# KiCad board Module_16S.kicad_pcb (continued)
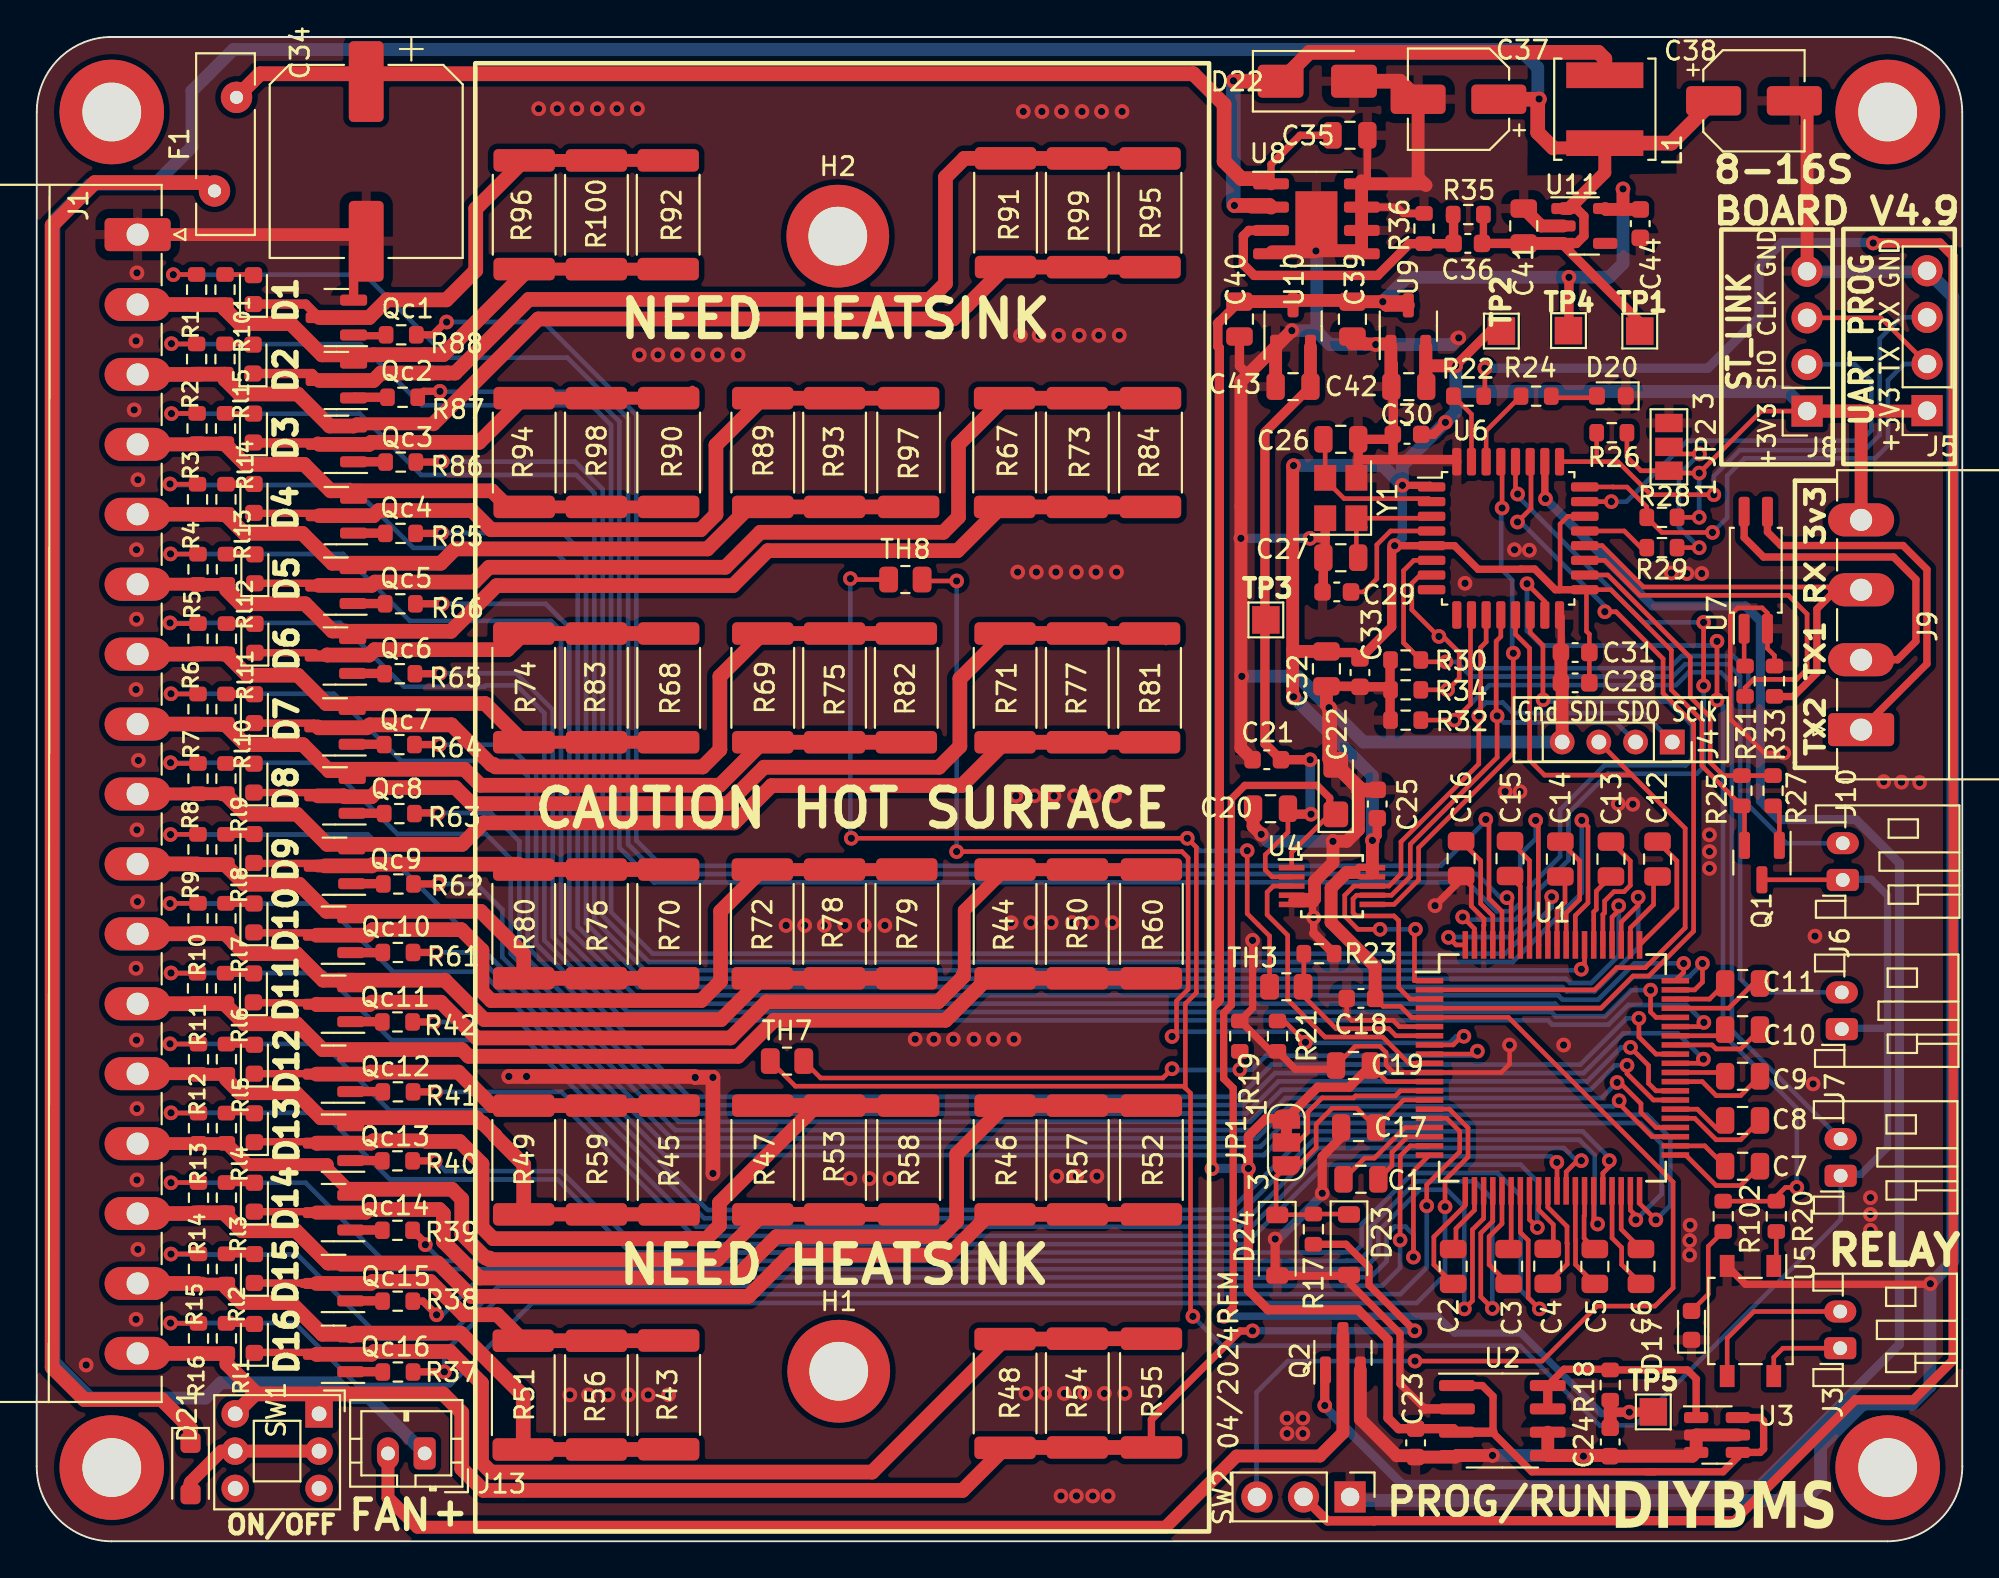
[diagram p0: board, top side]
## Routing (per net, layer and track width the routed paths; a pad name or vN(x,y) marks a point on that pad's centre or on a via; arc(x,y) is an arc through that point) (continued)
CV6: length 31
  Top w0.7: R68.2 R83.2 R74.2
  Top w0.8: R74.2 24.44,45.65 17.52,45.65 ; 17.51,45.64 15.78,45.64 14.23,47.19 11.48,47.19 10.34,48.33 Rl11.1 R6.2 8.78,48.34 J1.7
CV7: length 46.5
  Top w0.7: 17.4,41.99 17.37,42.02 16.75,42.02
  Top w0.762: Rl10.1 10.32,44.5 ; 8.78,44.53 R7.2
  Top w0.8: J1.8 8.78,44.53 ; 15.93,41.99 14.51,43.41 11.38,43.41 10.32,44.47 10.32,44.5 ; 15.93,41.99 17.4,41.99 ; 15.93,41.99 16.01,42.07 23.32,42.07 24.19,41.19 37.23,41.19 R69.2 R75.2 R82.2 ; R7.2 Rl10.1
CV8: length 60.2
  Top w0.7: R71.2 51.82,43.54 ; 5.5,40.71 J1.9 8.78,40.72 R8.2 Rl9.1
  Top w0.8: 34.14,39.15 24.36,39.15 23.19,37.98 15.83,37.98 14.19,39.62 11.39,39.62 10.32,40.69 Rl9.1 ; 33.51,39.15 38.03,39.15 40.06,41.18 50.42,41.18 R71.2 R77.2 R81.2
CV9: length 32.3
  Top w0.7: 8.75,36.91 R9.2
  Top w0.8: R70.2 R76.2 R80.2 26.55,31.98 24.2,34.33 15.79,34.33 14.31,35.8 11.34,35.8 10.32,36.83 Rl8.1 R9.2 ; J1.10 8.75,36.91
CV10: length 46.7
  Top w0.7: R72.2 38.76,30.68
  Top w0.762: 17.12,30.42 17.28,30.57 ; 8.78,33.1 R10.2 ; Rl7.1 10.32,33.07
  Top w0.8: 16.48,30.57 15.61,30.57 14.16,32.02 11.33,32.02 10.77,32.59 10.77,32.62 10.32,33.07 ; 16.48,30.57 22.25,30.57 24.39,28.43 37.3,28.43 R72.2 R78.2 R79.2 ; 16.48,30.57 17.28,30.57 ; J1.11 8.78,33.1 ; R10.2 Rl7.1
CV11: length 59.4
  Top w0.7: R44.2 51.62,30.68
  Top w0.762: 8.75,29.29 R11.2 ; Rl6.1 10.29,29.26
  Top w0.8: R11.2 Rl6.1 ; J1.12 8.75,29.29 ; R60.2 R50.2 R44.2 51.83,30.68 49.54,28.39 40.19,28.39 38.23,26.43 23.54,26.43 23.18,26.79 15.58,26.79 14.18,28.2 11.32,28.2 10.29,29.23 10.29,29.26
CV12: length 33.9
  Top w0.508: 8.63,25.48 8.65,25.45
  Top w0.7: J1.13 8.78,25.48 R12.2 Rl5.1 10.34,25.18
  Top w0.762: R49.2 R59.2 R45.2
  Top w0.8: 10.34,25.18 11.07,24.44 14.12,24.44 15.49,23.08 23.97,23.08 24.25,22.8 24.31,22.8 24.98,22.13 24.98,22.1 26.55,20.53 R49.2
CV13: length 48.5
  Top w0.508: 8.63,21.67 8.65,21.7 ; 10.33,21.67 Rl4.1
  Top w0.7: J1.14 10.33,21.67 ; Rl4.1 11.5,20.52 15.83,20.52 15.83,20.31 16.96,19.18 17.25,19.18
  Top w0.8: 5.5,21.66 6.7,21.66 ; 16.96,19.18 22.64,19.18 23.17,18.65 23.17,16.74 24.48,15.43 24.68,15.43 24.68,15.35 37.11,15.35 R47.2 R53.2 R58.2
CV14: length 59.2
  Top w0.254: 59.41,17.35 59.31,17.45
  Top w0.7: 8.78,17.86 R14.2
  Top w0.8: R14.2 Rl3.1 10.34,17.76 11.18,16.92 14.12,16.92 15.89,15.16 21.87,15.16 23.69,13.35 38.8,13.35 41.05,15.6 49.72,15.6 51.93,17.81 R46.2 R57.2 R52.2 ; J1.15 8.78,17.86
CV15: length 34.7
  Top w0.7: 34.43,5 R43.2 ; Qc16.2 17.19,11.21 ; 8.78,14.05 R15.2 Rl2.1
  Top w0.8: J1.16 8.78,14.05 ; 34.43,5 R56.2 R51.2 26.52,7.93 23.11,11.34 17.32,11.34 17.19,11.21 17.12,11.28 15.57,11.28 13.85,13.01 11.15,13.01 10.34,13.82 Rl2.1
CV16: length 90.1
  Top w0.4: 66.26,11.47 v1(66.27,11.47) 66.26,11.46 65.58,11.46 60.76,6.63 R55.2 ; R17.2 71.37,16.18 72.62,14.93 72.62,13.96 v1(75.11,11.47)
  Top w0.7: 8.81,10.24 R16.2 ; 52.81,5.11 R48.2
  Top w0.8: SW1.4 11.9,8.03 11.99,8.03 ; 11.99,8.03 15.45,8.03 ; 11.99,8.03 10.37,9.65 10.37,10.23 ; R16.2 Rl1.1 ; 15.45,8.03 22.15,8.03 23.17,7.01 23.17,3.95 24.35,2.77 50.46,2.77 R48.2 ; 15.45,8.03 15.39,7.97 SW1.1 ; J1.17 8.81,10.24 ; 52.81,5.11 R54.2 R55.2
  Bottom w0.4: v1(66.27,11.47) 66.27,11.47 75.11,11.47 v1(75.11,11.47)
FAN: length 99.9
  Top w0.4: v1(82.24,56.81) 82.21,56.84 U6.26
  Top w0.508: Q2.1 70.21,9.29 v1(70.21,7.4)
  Bottom w0.5: 94.4,3.6 101.53,10.73 101.53,36.96 99.17,39.32 94.97,39.32 93.96,40.34 93.96,50.14 93.13,50.97 88.08,50.97 v1(82.24,56.81)
  Bottom w0.508: 94.4,3.6 93.89,3.09 74.44,3.09 70.21,7.32 v1(70.21,7.4) 70.13,7.4 70.18,7.34
PA8: length 17.8
  Top w0.254: U6.18 85.64,52.65 90.13,48.16 90.13,46 91.22,44.92 91.22,42.44 91.94,41.72 R25.1 94.95,41.72
RELAY1: length 51.6
  Top w0.25: R102.2 R20.1
  Top w0.254: v1(95.94,19.28) 95.32,19.28 94.57,18.53 ; v1(81.23,52.18) 82.21,51.2 U6.15 ; v1(91.59,49.04) v1(91.59,45.84)
  Bottom w0.254: v1(95.94,19.28) 95.94,23.6 91.92,27.62 91.92,45.51 v1(91.59,45.84) ; v1(91.59,49.04) 91.36,48.81 82.04,48.81 81.23,49.61 v1(81.23,52.18)
RX: length 23.8
  Top w0.254: 97.93,51.7 97.64,52 87.58,52 85.33,54.25 U6.20
  Top w0.4: R33.1 94.73,46.03 95.75,46.03 97.03,47.32 97.03,50.8 97.93,51.7 99.3,51.7 J9.3
STEP_DOWN_V: length 209.9
  Top w0.4: C36.1 78.86,70.8 R35.1
  Top w0.508: U11.1 83.92,72.62 84.34,72.21 84.34,71.13 83.93,70.72 U11.3 83.22,70.61 87.38,66.45 TP1.1 ; 78.78,70.5 C36.1 81.06,70.72 C41.1
  Top w0.7: C41.1 U11.3 ; 81.91,78.58 v1(81.89,78.59) 81.88,78.58 ; 82.66,75.92 85.22,75.92 L1.2 85.47,74.58 83.52,72.62 U11.1
  Top w0.8: L1.2 89.1,76.18 C38.1 ; C37.1 81.88,78.58 ; 82.66,75.92 81.82,76.76 81.82,78.48 81.91,78.58
  Bottom w0.7: 81.82,78.59 81.82,80.29 80.83,81.28 10.72,81.28 8.46,79.02 8.46,75.98 6.43,73.94 2.92,73.94 0.94,71.96 0.94,9.78 2.92,7.8 9.2,7.8 10.04,8.64 16.37,8.64 17.17,7.84 18.1,7.84 J13.1
SWCLK_USART_PROG1: length 34.8
  Top w0.25: J8.3 100.53,66.66 J5.2 ; U6.24 85.92,57.45 85.92,57.44 86.68,57.44 87.76,56.36 R28.1 88.59,54.97 v1(91.34,54.97)
  Bottom w0.25: v1(91.34,54.97) 92.14,55.77 92.14,58.06 93.09,59.01 100.21,59.01 100.91,59.71 100.91,63.26 101.79,64.15 J5.2
SWDIO: length 23.8
  Top w0.25: v1(85.83,56.65) U6.23
  Bottom w0.25: J8.2 99.1,64.12 100.01,63.22 100.01,60.54 99.44,59.97 89.98,59.97 86.66,56.65 v1(85.83,56.65)
T1: length 41.4
  Top w0.25: TH7.2 42.73,25.24 61.38,25.24 v1(61.89,25.75) ; v1(78.53,26.71) 78.37,26.55 U1.9
  Top w0.254: v1(65.58,25.69) R19.2
  Bottom w0.25: 67.89,26.47 78.29,26.47 v1(78.53,26.71) ; v1(61.89,25.75) 61.95,25.68 65.56,25.68 v1(65.58,25.69)
  Bottom w0.254: v1(65.58,25.69) 66.24,25.69 67.01,26.47 67.89,26.47
T2: length 60.1
  Top w0.25: TH8.2 48.34,52.33 v1(50.14,52.33) ; U1.8 77.21,27.05 77.59,27.43 77.71,27.43 v1(77.79,27.52) 77.79,27.47 77.83,27.43 ; v1(69.16,27.19) 68,28.35 R21.2 ; v1(50.14,37.58) 62.42,37.58 62.76,37.25 62.76,30.08 62.13,29.45 62.13,27.75 v1(61.89,27.51)
  Bottom w0.25: v1(50.14,37.58) v1(50.14,52.33) ; v1(77.79,27.52) 77.37,27.52 77.01,27.16 69.19,27.16 v1(69.16,27.19) 68.58,27.77 62.15,27.77 v1(61.89,27.51)
T3: length 10.6
  Top w0.254: TH3.2 69.07,30.26 R23.2 ; 69.05,30.72 69.06,30.72 69.06,29.71 70.83,27.93 73.7,27.93 74.09,27.55 U1.7
TH_ENABLE: length 168.4
  Top w0.25: TH7.1 39.99,25.73 ; TH7.1 41.36,24.79 62.51,24.79 62.61,24.7 ; TH7.1 39.99,26.47 ; v1(44.35,52.45) 44.4,52.4 TH8.1 ; 62.61,24.7 62.89,24.41 62.89,12.38 v1(63.02,12.26) ; 62.61,24.7 62.61,29.29 63.21,29.89 63.21,37.81 v1(62.72,38.31) v1(44.4,38.31) ; v1(65.98,37.63) 65.98,34.2 67.2,32.98 TH3.1 ; 93.98,35.98 Q1.3 98.3,36.05 98.33,36.07
  Bottom w0.25: v1(65.98,37.63) 65.97,37.62 63.4,37.62 v1(62.72,38.31) ; v1(63.02,12.26) 63.02,12.25 64.62,10.65 65.29,10.65 65.3,10.66 80.85,10.66 85.19,6.31 87.11,6.31 98.33,17.53 98.33,20 ; v1(44.35,52.45) 44.35,38.36 v1(44.4,38.31)
  Bottom w0.4: 98.33,36.07 100,36.07 100.88,35.19 100.88,27.95 ; 100.88,27.95 98.34,27.95 98.33,27.95 ; 100.88,27.95 100.88,21.45 99.42,20 98.33,20
TX: length 20.6
  Top w0.254: U6.19 85.48,53.45 87.39,51.54 95.48,51.54 96.5,50.52 96.5,47.53 95.94,46.96 93.57,46.96 93.12,46.51 R31.1
USART_PROG2: length 29.6
  Top w0.25: 84.81,58.83 85.03,59.04 85.03,59.9 ; 84.81,58.83 86.19,58.83 87.99,57.03 v1(91.42,57.03) ; 84.81,58.83 83.01,58.83 U6.25
  Bottom w0.25: v1(91.42,57.03) 91.42,58.04 92.83,59.46 99.64,59.46 100.46,60.27 100.46,65.53 101.61,66.69 J5.3
VREF4096: length 67.6
  Top w0.254: U4.1 68.41,37.54 70.48,39.61
  Top w0.4: v1(64.71,12.26) 65.22,12.76 65.22,24.69 64.7,25.21 64.7,28.8 65.12,29.21 65.12,40.45 65.86,41.19 69.79,41.19 70.48,40.5 70.48,39.61 70.48,39.61
  Top w0.508: 85.79,7.04 v1(86.81,7.04) 88.11,7.04 TP5.1
  Top w0.7: 85.77,7.06 85.79,7.04 ; 85.77,7.06 R18.2 ; 85.77,7.06 C24.2
  Bottom w0.4: 70.9,12.27 64.72,12.27 v1(64.71,12.26) ; v1(86.81,7.04) 86.73,6.96 85.29,6.96 84.4,7.85 84.4,7.86 80.92,11.34 77.29,11.34 76.36,12.27 70.9,12.27
Net-(D1-A): length 1.6
  Top w0.25: D1.2 11.78,69.03 R101.2
Net-(D1-K): length 28.6
  Top w0.508: D1.1 14.66,67.42 Qc1.3
  Top w0.7: R92.1 30.51,75.25 R100.1 26.58,75.24 R96.1 26.38,75.25
  Top w0.8: R96.1 23.93,72.6 23.93,69.24 22.33,67.64 19.09,67.64 18.12,66.68 Qc1.3
Net-(D2-A): length 1.6
  Top w0.254: 11.81,65.21 11.78,65.24 Rl15.2
Net-(D2-K): length 57.4
  Top w0.508: Qc2.3 15.02,63.63 11.81,63.63
  Top w0.7: 52.82,75.35 R91.1
  Top w0.8: 52.82,75.35 R99.1 R95.1 ; Qc2.3 18.36,63.25 18.76,63.66 21.56,63.66 21.57,63.66 22.39,63.66 22.4,63.66 22.81,63.66 26.83,67.67 48.67,67.67 49.53,68.53 49.53,74.32 50.57,75.36 R91.1
Net-(D3-A): length 1.6
  Top w0.254: Rl14.2 11.8,61.46 11.84,61.42
Net-(D3-K): length 23.7
  Top w0.4: 35.72,62.74 35.74,62.77
  Top w0.508: 11.84,59.85 15.32,59.85
  Top w0.7: 15.32,59.85 Qc3.3 ; R94.1 R98.1 R90.1
  Top w0.8: R94.1 26.52,62.29 24.12,59.88 18.23,59.88 18.12,59.77 Qc3.3
Net-(D4-A): length 1.6
  Top w0.4: 11.87,57.59 11.85,57.6 Rl13.2
Net-(D4-K): length 41.4
  Top w0.4: Qc4.3 15.27,56.01 11.87,56.01
  Top w0.8: Qc4.3 18.36,55.88 18.64,56.16 23.73,56.16 24.77,55.12 36.2,55.12 37.03,55.95 37.03,59.74 R89.1 R93.1 R97.1
Net-(D5-A): length 1.6
  Top w0.4: Rl12.2 11.88,53.79 D5.2
Net-(D5-K): length 55.4
  Top w0.4: Qc5.3 15.22,52.2 D5.1
  Top w0.8: 15.37,52.09 18.25,52.09 18.44,52.27 23.85,52.27 24.66,53.07 37.54,53.07 39.44,54.98 49.42,54.98 50.25,55.81 50.25,59.77 R67.1 R73.1 R84.1
Net-(D6-A): length 1.6
  Top w0.4: Rl11.2 11.88,50 D6.2
Net-(D6-K): length 24.2
  Top w0.4: D6.1 15.17,48.42 Qc6.3
  Top w0.7: 26.02,48.94 R74.1 ; 15.79,48.26 15.83,48.3
  Top w0.8: 15.83,48.3 15.84,48.29 18.12,48.29 18.42,48.58 25.67,48.58 R74.1 ; 26.02,48.94 R74.1 ; R74.1 R83.1 R68.1
Net-(D7-A): length 1.5
  Top w0.4: 11.84,46.16 11.83,46.17 Rl10.2
Net-(D7-K): length 42
  Top w0.4: 11.84,44.58 15.12,44.58 Qc7.3
  Top w0.8: Qc7.3 15.37,44.33 18,44.33 18.16,44.49 22.61,44.49 24.77,42.33 24.91,42.33 24.99,42.24 ; R82.1 R75.1 R69.1 37.24,47.13 37.24,43.13 36.3,42.19 24.99,42.19
Net-(D8-A): length 1.5
  Top w0.4: D8.2 11.83,42.38 Rl9.2
Net-(D8-K): length 55.5
  Top w0.254: 61.55,48.95 61.58,48.98
  Top w0.4: Qc8.3 15.14,40.8 D8.1
  Top w0.8: R81.1 R77.1 R71.1 50.32,47 50.32,43.31 49.19,42.18 39.65,42.18 37.66,40.19 23.7,40.19 22.82,41.07 18.75,41.07 18.25,40.57 16.78,40.57 16.73,40.62 Qc8.3
Net-(D9-A): length 1.5
  Top w0.4: 11.84,38.51 11.83,38.52 Rl8.2
Net-(D9-K): length 22.8
  Top w0.4: 11.84,36.94 15.14,36.94 Qc9.3
  Top w0.7: 15.32,36.8 15.71,36.8
  Top w0.8: R70.1 R76.1 R80.1 26.26,36.89 18.36,36.89 18.27,36.8 15.71,36.8
Net-(D10-A): length 1.5
  Top w0.4: D10.2 11.83,34.76 Rl7.2
Net-(D10-K): length 43.9
  Top w0.4: Qc10.3 15.12,33.15 11.84,33.15
  Top w0.7: R72.1 R78.1 R79.1
  Top w0.8: Qc10.3 17.68,33.02 ; 17.68,33.02 18,33.02 18.31,33.33 23.15,33.33 24.27,32.2 24.27,29.96 24.77,29.46 36.22,29.46 37.28,30.52 37.28,34.33 R72.1
Net-(D11-A): length 1.5
  Top w0.4: Rl6.2 11.78,30.95 11.81,30.92
Net-(D11-K): length 55.7
  Top w0.4: 11.81,29.34 15.17,29.34 Qc11.3
  Top w0.7: 50.56,30.89 50.56,34.38 R44.1 R50.1 R60.1
  Top w0.8: 50.51,30.89 50.51,30.77 49.13,29.39 39.78,29.39 37.82,27.43 23.98,27.43 22.03,29.37 18.27,29.37 18.14,29.25 15.27,29.25 Qc11.3
Net-(D12-A): length 1.5
  Top w0.25: 11.83,27.09 D12.2
  Top w0.4: Rl5.2 11.83,27.09
Net-(D12-K): length 23.4
  Top w0.25: 15.22,25.48 Qc12.3
  Top w0.4: D12.1 15.22,25.48
  Top w0.8: Qc12.3 18.08,25.45 18.19,25.56 22.99,25.56 24.82,23.74 R49.1 R59.1 R45.1
Net-(D13-A): length 1.6
  Top w0.25: Rl4.2 11.88,23.33 11.89,23.35
Net-(D13-K): length 49.2
  Top w0.4: 11.89,21.77 15.17,21.77 Qc13.3
  Top w0.762: Qc13.3 15.28,21.66 ; 35.34,16.49 36.11,16.49 35.87,16.49
  Top w0.8: 35.34,16.49 24.88,16.49 24.27,17.1 24.27,20.57 23.05,21.79 21.24,21.79 21.2,21.82 18.35,21.82 18.22,21.7 Qc13.3 ; 35.34,16.49 35.87,16.49 ; 35.34,16.49 36.14,16.49 ; 36.14,16.49 36.5,16.49 37.21,17.2 37.21,18.44 42.51,23.74 R53.1 ; 36.14,16.49 36.11,16.49 ; R58.1 R53.1 ; R53.1 R47.1
Net-(D14-A): length 1.6
  Top w0.4: 11.89,19.54 11.88,19.55 Rl3.2
Net-(D14-K): length 57.4
  Top w0.4: 11.89,17.96 15.2,17.96 Qc14.3
  Top w0.762: Qc14.3 17.94,17.91 18.11,18.08
  Top w0.8: R52.1 R57.1 R46.1 50.14,21.1 50.14,17.44 49.3,16.6 40.33,16.6 38.07,14.35 24.15,14.35 22.17,16.33 22.17,17.86 21.95,18.08 18.14,18.08 18.12,18.07
Net-(D15-A): length 1.6
  Top w0.4: Rl2.2 11.88,15.66 11.89,15.65
Net-(D15-K): length 24
  Top w0.4: 11.89,14.08 14.48,14.08 14.51,14.05
  Top w0.508: 14.51,14.05 Qc15.3
  Top w0.762: 34.43,10.93 R43.1
  Top w0.8: 34.43,10.93 R56.1 R51.1 25.1,12.35 23.27,12.35 21.46,14.16 18.32,14.16 18.21,14.05 Qc15.3
Net-(D16-A): length 1.5
  Top w0.4: Rl1.2 11.85,11.88 11.87,11.87
Net-(D16-K): length 57.2
  Top w0.4: Qc16.3 15.14,10.29 11.87,10.29
  Top w0.762: 56.7,11.02 R54.1 ; Qc16.3 15.28,10.16
  Top w0.8: 21.1,10.34 22.52,10.34 24.25,8.62 24.25,4.29 24.76,3.77 45.54,3.77 R48.1 56.7,11.02 ; 20.98,10.34 18.4,10.34 18.25,10.19 Qc16.3 ; R54.1 R55.1
Net-(D17-A): length 5
  Top w0.25: R102.1 91.11,16.07 91.11,13.47 D17.2
Net-(D20-A): length 2.5
  Top w0.25: R24.1 82.64,62.31 84.97,62.31 85.02,62.26
Net-(D21-A): length 9
  Top w0.7: D21.2 8.39,3.23 10.07,4.91 SW1.5 SW1.2
  Top w0.8: 8.39,2.49 8.39,3.1
Net-(D21-K): length 81.9
  Top w0.8: D21.1 8.39,6.15 6.81,7.73 2.59,7.73 0.84,9.48 0.84,71.71 3.17,74.03 9.23,74.03 F1.1
Net-(D22-K): length 31.8
  Top w0.7: U8.2 66.22,72.7
  Top w0.8: v1(65.23,79.58) 65.26,79.56 D22.1 69.38,81.13 85.12,81.13 85.47,80.78 85.47,80.01 85.53,80.06 ; U8.2 67.19,72.79 v1(65.28,72.79)
  Bottom w0.8: v1(65.23,79.58) 65.23,72.84 v1(65.28,72.79)
Net-(J3-Pin_1): length 4.8
  Top w0.25: J3.1 95.18,10.52 94.68,10.02 U5.4
Net-(J3-Pin_2): length 8.8
  Top w0.25: J3.2 93.6,12.52 92.14,11.06 U5.3
Net-(J9-Pin_1): length 20.9
  Top w0.4: U7.3 94.34,54.99 95.08,54.26 101.73,54.26 103.03,52.96 103.03,47.81 J9.1
Net-(J9-Pin_2): length 18.5
  Top w0.4: U7.4 93.07,54.69 94.13,53.63 101.21,53.63 102.43,52.42 102.43,49.04 101.43,48.04 J9.2
Net-(J13-Pin_2): length 62.6
  Top w0.7: Q2.3 71.2,5.91 69.94,4.65 65.4,4.65 61.52,0.77 20.76,0.77 19.15,2.38 J13.2
Net-(JP2-C): length 9.1
  Top w0.25: v1(90.62,54.14) R29.2 ; v1(90.63,59.25) 89.35,59.25 JP2.2
  Bottom w0.25: v1(90.62,54.14) 89.51,55.25 89.51,58.13 v1(90.63,59.25)
Net-(Q1-G): length 2.3
  Top w0.254: R27.2 94.99,39.73 Q1.1 ; 94.99,40.04 94.95,40.07
Net-(Qc1-G): length 1.8
  Top w0.4: Qc1.1 17.31,65.69 18.99,65.69 R88.2
Net-(Qc2-G): length 1.9
  Top w0.508: R87.2 17.31,62.34 Qc2.1
Net-(Qc3-G): length 1.7
  Top w0.508: Qc3.1 19,58.82 R86.2
Net-(Qc4-G): length 1.7
  Top w0.508: Qc4.1 18.99,54.93 R85.2
Net-(Qc5-G): length 1.7
  Top w0.508: R66.2 18.98,51.1 Qc5.1
Net-(Qc6-G): length 1.7
  Top w0.508: R65.2 18.95,47.29 Qc6.1
Net-(Qc7-G): length 1.7
  Top w0.508: Qc7.1 18.92,43.43 R64.2
Net-(Qc8-G): length 1.7
  Top w0.508: Qc8.1 18.92,39.67 R63.2
Net-(Qc9-G): length 1.7
  Top w0.508: R62.2 18.87,35.83 Qc9.1
Net-(Qc10-G): length 1.7
  Top w0.508: Qc10.1 18.85,32.07 R61.2
Net-(Qc11-G): length 1.7
  Top w0.508: Qc11.1 18.82,28.31 R42.2
Net-(Qc12-G): length 1.7
  Top w0.508: R41.2 18.85,24.5 Qc12.1
Net-(Qc13-G): length 1.7
  Top w0.508: R40.2 18.82,20.75 Qc13.1
Net-(Qc14-G): length 1.7
  Top w0.508: Qc14.1 18.82,16.96 R39.2
Net-(Qc15-G): length 1.7
  Top w0.508: R38.2 18.84,13.1 Qc15.1
Net-(Qc16-G): length 1.7
  Top w0.508: Qc16.1 18.85,9.24 R37.2
Net-(R20-Pad2): length 2.1
  Top w0.25: U5.1 94.82,15.14 R20.2 94.81,16.89 94.67,16.89
Net-(R31-Pad2): length 2.1
  Top w0.25: R31.2 93.07,47.74 U7.1
Net-(SW2A-B): length 131.6
  Top w0.254: R22.1 78.94,62.46 v1(78.94,63.92)
  Top w0.508: v1(100.11,70.74) 103.74,70.74 104.46,70.02 104.46,9.87 102.3,7.71 99.13,7.71 92.54,1.12 72.9,1.12 72.88,1.11 70.36,1.11 SW2.2
  Bottom w0.508: v1(78.94,63.92) 91.1,63.92 93.88,66.7 93.88,69.52 95.13,70.77 100.08,70.77 v1(100.11,70.74)
Net-(U1-CB2): length 4
  Top w0.254: U1.74 80.87,35.69 C15.2
Net-(U1-CB3): length 4
  Top w0.254: C14.2 83.31,35.97 83.31,34.82 82.88,34.39 82.87,34.39 U1.70
Net-(U1-CB4): length 4.1
  Top w0.254: C13.2 85.01,35.43 85.01,34.44 84.87,34.29 U1.66
Net-(U1-CB5): length 4.3
  Top w0.254: U1.62 86.87,33.42 88.13,34.69 88.13,36.23
Net-(U1-CB6): length 3.1
  Top w0.254: C11.2 91.19,29.55 U1.58
Net-(U1-CB7): length 2.9
  Top w0.254: C10.2 91.7,27.55 U1.54
Net-(U1-CB8): length 2.8
  Top w0.254: C9.2 91.83,25.55 U1.50
Net-(U1-CB9): length 3.3
  Top w0.254: U1.46 90.52,23.55 91.58,22.48 C8.2
Net-(U1-CB10): length 3.2
  Top w0.254: C7.2 90.92,21.55 U1.42
Net-(U1-CB11): length 3.6
  Top w0.254: U1.38 86.37,17 C6.2
Net-(U1-CB12): length 3.4
  Top w0.254: C5.2 84.35,16.51 84.35,17.73 84.37,17.76 U1.34
Net-(U1-CB13): length 5.9
  Top w0.254: C4.2 83.42,15.1 83.42,16.23 83.42,16.24 83.42,17.15 82.37,18.2 U1.30
Net-(U1-CB14): length 3.3
  Top w0.254: U1.26 80.37,16.32 80,15.95
Net-(U1-CB15): length 3.6
  Top w0.254: 77.08,16.05 C2.2 ; 77.36,16.1 77.36,17.03 78.37,18.04 U1.22
Net-(U1-CB16): length 4.4
  Top w0.254: 72.85,19.83 73.03,19.83 ; C1.2 73.87,20.47 73.87,21.19 74.72,22.05 U1.18
Net-(U1-CT1): length 6.4
  Top w0.254: C16.1 78.71,37.08 78.71,34.74 79.37,34.08 U1.77
Net-(U1-CT2): length 6.1
  Top w0.254: C15.1 81.37,37.09 U1.73
Net-(U1-CT3): length 6.4
  Top w0.254: C14.1 84.1,37.07 84.1,34.97 83.37,34.24 U1.69
Net-(U1-CT4): length 7
  Top w0.254: C13.1 86.86,37.07 86.86,35.74 86.52,35.4 85.97,35.4 85.47,34.89 85.47,34.25 85.37,34.15 U1.65
Net-(U1-CT5): length 6.9
  Top w0.254: C12.1 89.4,37.07 89.4,34.53 U1.61
Net-(U1-CT6): length 5.2
  Top w0.254: U1.57 92.23,29.05 93.57,30.39 C11.1
Net-(U1-CT7): length 5.1
  Top w0.254: U1.53 91.32,27.05 91.54,26.83 92.88,26.83 C10.1
Net-(U1-CT8): length 5.4
  Top w0.254: C9.1 92.88,24.29 91.54,24.29 90.78,25.05 U1.49
Net-(U1-CT9): length 5.5
  Top w0.254: U1.45 90.38,23.05 91.54,21.88 92.88,21.88 C8.1
Net-(U1-CT10): length 5.7
  Top w0.254: C7.1 92.88,19.38 91.54,19.38 89.88,21.05 U1.41
Net-(U1-CT11): length 5.7
  Top w0.254: U1.37 85.87,16.53 86.39,16 86.39,15.08 C6.1
Net-(U1-CT12): length 5.5
  Top w0.254: C5.1 83.88,15.08 83.88,16.41 83.87,16.42 U1.33
Net-(U1-CT13): length 3.7
  Top w0.254: C4.1 82.67,16.24 82.67,17.26 81.87,18.06 U1.29 ; 82.37,16.01 82.44,15.94
Net-(U1-CT14): length 5.8
  Top w0.254: C3.1 80.22,14.03 79.17,15.07 79.17,16.61 79.87,17.31 U1.25
Net-(U1-CT15): length 6.2
  Top w0.254: C2.1 76.16,15.08 76.16,16.59 77.87,18.3 U1.21
Net-(U1-CT16): length 5.9
  Top w0.254: U1.17 74.58,22.55 72.91,20.88 72.38,20.88 C1.1
Net-(U1-CV1): length 104.3
  Top w0.254: v1(80.14,35.07) 80.37,34.84 U1.75 ; v1(7.45,69.02) 7.46,69.03 R1.1
  Bottom w0.254: 77.83,36.35 33.86,36.35 32.24,37.98 32.24,61.18 28.92,64.49 22.41,64.49 17.89,69.02 v1(7.45,69.02) ; v1(80.14,35.07) 79.8,35.07 78.51,36.35 77.84,36.35
Net-(U1-CV2): length 110.2
  Top w0.254: v1(7.34,65.26) 7.36,65.24 R2.1 ; v1(82.58,35.12) 82.37,34.91 U1.71
  Bottom w0.254: v1(7.34,65.26) 7.37,65.23 17.66,65.23 20.99,61.9 30.23,61.9 31.31,60.83 31.31,34.29 33.58,32.02 80.04,32.02 82.58,34.55 v1(82.58,35.12)
Net-(U1-CV3): length 106.1
  Top w0.254: U1.67 84.37,31.35 v1(84.19,31.17) ; v1(7.34,61.45) 7.36,61.46 R3.1
  Bottom w0.254: 84.01,30.99 v1(84.19,31.17) 84.13,31.11 33.16,31.11 30.4,33.87 30.4,57.11 29.41,58.1 20.95,58.1 17.61,61.45 v1(7.34,61.45)
Net-(U1-CV4): length 110.9
  Top w0.254: U1.63 86.37,33.74 87.29,34.66 v1(87.29,35.09) ; v1(7.27,57.61) 7.28,57.6 R4.1
  Bottom w0.254: v1(87.29,35.09) 87.29,32.34 84.92,29.97 83.4,29.97 83.16,30.2 32.78,30.2 29.49,33.5 29.49,52.68 28.04,54.13 20.53,54.13 17.1,57.56 7.32,57.56 v1(7.27,57.61)
Net-(U1-CV5): length 108.6
  Top w0.254: v1(90.8,31.49) 90.8,30.47 90.37,30.05 U1.59 ; v1(7.29,53.8) 7.31,53.79 R5.1
  Bottom w0.254: v1(90.8,31.49) 90.07,30.76 87,30.76 85.3,29.06 82.99,29.06 82.75,29.29 32.41,29.29 28.58,33.12 28.58,49.6 28.03,50.15 20.34,50.15 16.69,53.8 v1(7.29,53.8)
Net-(U1-CV6): length 104
  Top w0.254: v1(90.87,28.27) 90.65,28.05 U1.55 ; v1(7.27,50.04) 7.31,50 R6.1
  Bottom w0.254: v1(7.27,50.04) 16.54,50.04 20.01,46.57 24.42,46.57 24.49,46.64 26.16,46.64 27.67,45.12 27.67,32.74 32.03,28.39 82.38,28.39 82.61,28.15 85.67,28.15 86.75,29.22 89.92,29.22 v1(90.87,28.27)
Net-(U1-CV7): length 103.6
  Top w0.254: v1(7.32,46.18) 7.33,46.17 R7.1 ; v1(90.85,26.27) 90.62,26.05 U1.51
  Bottom w0.254: v1(7.32,46.18) 16.21,46.18 19.87,42.52 25.93,42.52 26.77,41.69 26.77,32.37 35.37,23.77 65.76,23.77 67.5,25.51 84.32,25.51 86.48,27.68 89.45,27.68 v1(90.85,26.27)
Net-(U1-CV8): length 97
  Top w0.254: v1(86.69,25.93) 86.69,25.48 88.12,24.05 U1.47 ; R8.1 7.33,42.38 v1(7.29,42.42)
  Bottom w0.254: v1(7.29,42.42) 15.78,42.42 19.66,38.54 24.49,38.54 25.84,37.19 25.84,32.01 34.99,22.86 66.13,22.86 67.88,24.61 84.7,24.61 86.02,25.93 v1(86.69,25.93)
Net-(U1-CV9): length 93.2
  Top w0.254: R9.1 7.31,38.52 v1(7.29,38.51) ; 88.27,22.05 U1.43 88.06,22.05 86.26,23.85 v1(86.26,24.01)
  Bottom w0.254: v1(7.29,38.51) 18.05,38.51 34.6,21.95 66.51,21.95 68.25,23.7 85.95,23.7 v1(86.26,24.01)
Net-(U1-CV10): length 96.1
  Top w0.254: R10.1 7.28,34.76 v1(7.27,34.75) ; v1(87.17,17.52) 87.19,17.54 87.19,17.72 86.87,18.04 U1.39
  Bottom w0.254: v1(87.17,17.52) 88.57,18.92 88.57,21.65 87.43,22.79 68.63,22.79 66.88,21.04 34.23,21.04 24.23,31.04 19.41,31.04 15.7,34.75 v1(7.27,34.75)
Net-(U1-CV11): length 92.4
  Top w0.254: v1(85.08,17.29) 84.87,17.5 U1.35 ; R11.1 7.33,30.95 v1(7.32,30.97)
  Bottom w0.254: v1(7.32,30.97) 15.68,30.97 19.33,27.31 26.68,27.31 36.38,17.6 65.33,17.6 69.61,21.88 84.08,21.88 84.92,21.04 84.92,17.45 v1(85.08,17.29)
Net-(U1-CV12): length 85
  Top w0.254: v1(82.86,20.65) 82.87,20.64 U1.31 ; v1(7.27,27.11) 7.28,27.09 R12.1
  Bottom w0.254: v1(82.86,20.65) 82.54,20.97 70.04,20.97 65.71,16.64 35.81,16.64 28.98,23.47 19.23,23.47 15.6,27.11 v1(7.27,27.11)
Net-(U1-CV13): length 94.6
  Top w0.254: R13.1 7.33,23.33 v1(7.32,23.35) ; v1(81.91,12.66) 81.3,13.27 81.3,16.4 80.87,16.83 U1.27
  Bottom w0.254: v1(81.91,12.66) 80.89,13.68 80.89,18.81 79.64,20.07 75.01,20.07 72.23,17.28 72.23,16.14 71.83,15.75 71.17,15.75 71.16,15.74 32.36,15.74 28.39,19.71 19.26,19.71 15.62,23.35 v1(7.32,23.35)
Net-(U1-CV14): length 89.3
  Top w0.254: v1(7.32,19.54) 7.33,19.55 R14.1 ; v1(77.82,12.66) 78.26,13.11 78.26,16.98 78.87,17.59 U1.23
  Bottom w0.254: v1(7.32,19.54) 14.66,19.54 19.37,14.83 71.67,14.83 71.68,14.84 72.35,14.84 73.13,15.62 73.13,16.9 75.39,19.16 76.86,19.16 77.77,18.25 77.77,18.25 77.82,18.2 v1(77.82,12.66)
Net-(U1-CV15): length 79.9
  Top w0.254: v1(74.31,16.42) 74.31,18.99 74.33,19 74.33,21.01 74.87,21.55 U1.19 ; R15.1 7.33,15.66 v1(7.32,15.65)
  Bottom w0.254: v1(74.31,16.42) 74.31,14.9 73.35,13.93 72.68,13.93 72.67,13.92 25.2,13.92 22.33,11.05 18.77,11.05 14.2,15.62 7.34,15.62 v1(7.32,15.65)
Net-(U1-CV16): length 85.9
  Top w0.254: R16.1 7.31,11.88 v1(7.29,11.89) ; v1(76.77,18.23) 76.77,19.69 78.02,20.94 78.02,22.53 77,23.55 U1.15
  Bottom w0.254: v1(7.29,11.89) 14.08,11.89 17.45,8.51 21.91,8.51 21.92,8.5 22.52,8.5 27,12.98 75.22,12.98 76.77,14.53 v1(76.77,18.23)
Net-(U2-FB): length 12.1
  Top w0.4: U2.8 83.25,9.37 85.73,9.37 R18.1 89.97,9.34 90.47,8.84 90.45,8.83 U3.1
  Top w0.508: U2.7 U2.8
Net-(U6-BOOT0): length 4
  Top w0.25: R22.2 78.21,61.41 U6.31
Net-(U6-NRST): length 6.9
  Top w0.25: C29.2 72.33,51.73 73.05,52.44 73.05,54.3 73.8,55.05 U6.4
Net-(U6-PA11): length 3.8
  Top w0.25: U6.21 86.54,55.05 87.45,54.14 R29.1
Net-(U6-PB7): length 4.2
  Top w0.25: U6.30 79.01,60.51 80.77,62.27
Net-(U6-PF0): length 8.5
  Top w0.25: C26.2 70.23,59.95 Y1.3 70.23,57.84 71.26,56.81 75.87,56.81 U6.2
Net-(U6-PF1): length 7
  Top w0.25: Y1.1 75.93,55.74 U6.3 ; Y1.1 72.43,55.25 ; Y1.1 71.93,53.69 C27.2
Net-(U8-FB): length 17.3
  Top w0.508: R35.2 77.23,72.27 C36.2 77.22,70.71 R36.1 74.83,70.71 73.1,68.98 66.36,68.98 65.77,69.57 65.77,71.12 66.07,71.43 U8.3
  Top w0.7: R35.2 77.15,72.24
Net-(U8-VIN): length 66.3
  Top w0.4: C35.1 68.86,76.61 67.28,75.03 U8.1
  Top w0.7: 67,74.25 U8.1
  Top w0.8: F1.2 12.18,79.96 63.05,79.96 64.72,78.29 64.72,75.19 65.66,74.25 67,74.25

## Copper pours and planes (outline as drawn; the poured copper is in the pictures)
GND on Top, Bottom: -0.12,82.17 -0.35,-0.17 105.21,-0.12 105.24,82.17

## Text on the board
B.Silkscreen: TEST POINT VOLTAGES / TP1=12.0V / TP2=3.3V / TP3=1.8V / TP4=5.0V / TP5=VREF (4.096/4.500) | modification of original proyect: | Relay | GND / RX / TX / +3V3 | Creative Commons / Attribution-NonCommercial-ShareAlike 2.0 / UK: England & Wales License. / Non-Commercial / You may not use the material for / commercial purposes. | ©2023 Stuart Pittaway | ST-LINK | +3V3 | TX2 | TX1 | RX | GND / SWCLK / SWDIO / +3V3 | ABSOLUTE MAXIMUM VOLTAGE +70V | UART PROG | COMMS | github.com/stuartpittaway/diyBMSv4 | 4-16S CELL MONITOR | T1 | T3 | T2 | ---(NEG) / C1 / C2 / C3 / C4 / C5 / C6 / C7 / C8 / C9 / C10 / C11 / C12 / C13 / C14 / C15 / ++Vbatt C16
F.Silkscreen: Gnd SDI SDO Sclk | +3V3 SIO CLK GND | +3V3 TX RX GND | 04/2024RFM | ON/OFF | ST_LINK | UART PROG | TX2 TX1 RX 3v3 | 8-16S / BOARD V4.9 | + | PROG/RUN | FAN | RELAY | CAUTION HOT SURFACE | NEED HEATSINK | DIYBMS
